# KiCad board XG_Mobile_Dock.kicad_pcb (continued)
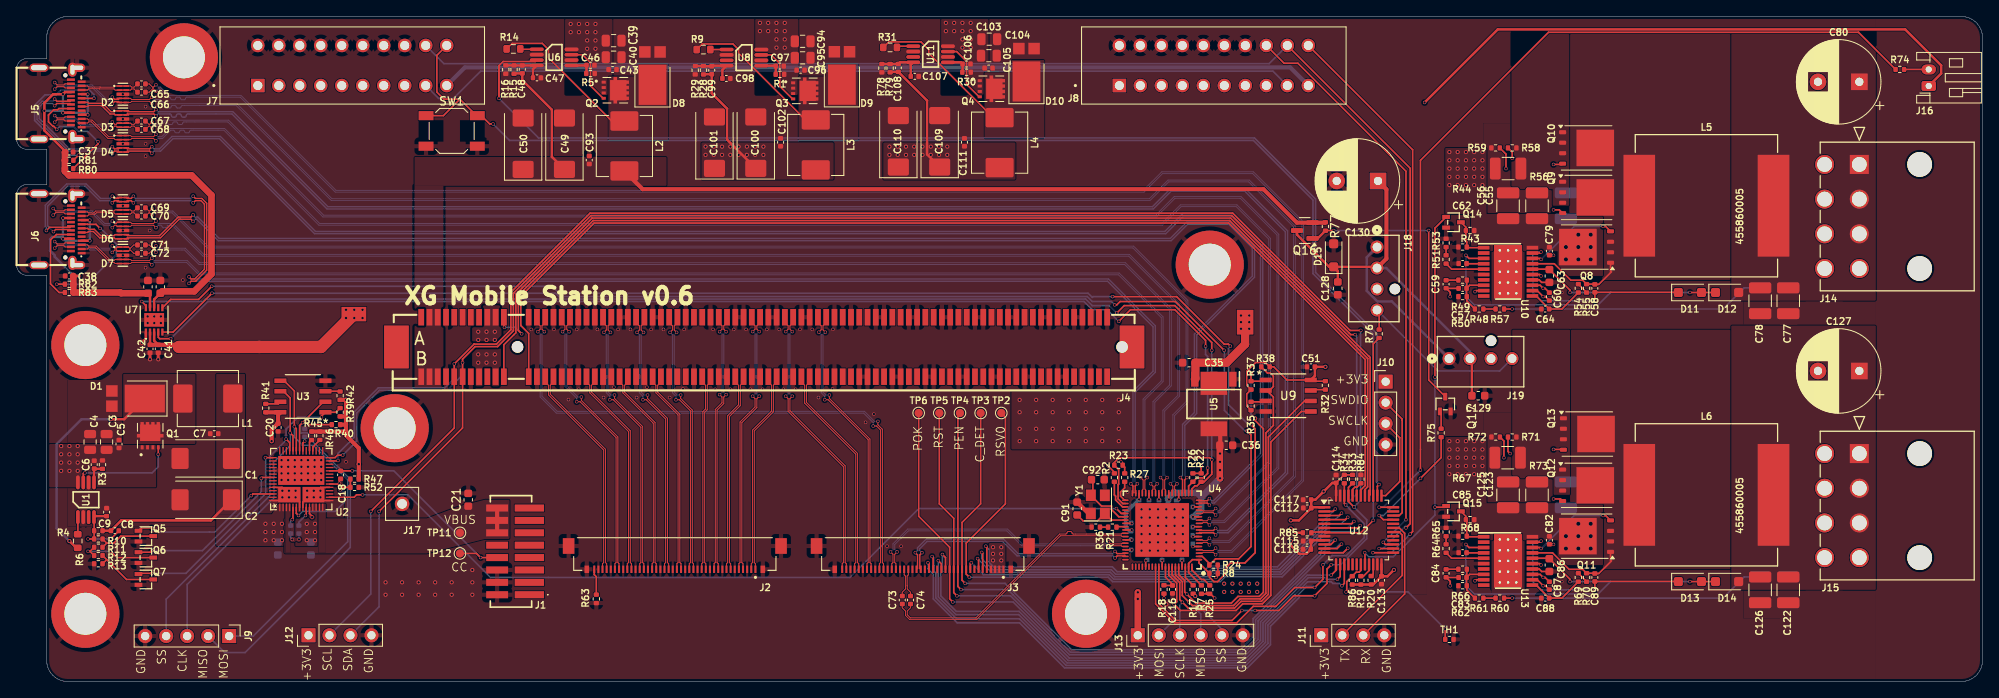
[diagram p0: board, top side]
## Routing (per net, layer and track width the routed paths; a pad name or vN(x,y) marks a point on that pad's centre or on a via; arc(x,y) is an arc through that point) (continued)
  Top w0.118: J2.20 79.9,14.26 80.04,14.4 80.04,32.26 77.36,34.95 77.36,35.86 76.97,36.25 J4.B27
/HSO4N: length 23.7
  Top w0.118: J4.B34 83.97,36.25 83.57,35.86 83.57,32.9 83.26,32.58 83.26,14.4 83.4,14.26 J2.13
/HSO4P: length 23.7
  Top w0.118: J2.14 82.9,14.26 83.04,14.4 83.04,32.67 83.36,32.99 83.36,35.86 82.97,36.25 J4.B33
/HSO5N: length 24.1
  Top w0.118: J4.B38 87.97,36.25 87.57,35.86 87.57,33.4 86.26,32.08 86.26,14.4 86.4,14.26 J2.7
/HSO5P: length 24.1
  Top w0.118: J2.8 85.9,14.26 86.04,14.4 86.04,32.17 87.36,33.49 87.36,35.86 86.97,36.25 J4.B37
/HSO6N: length 24.5
  Top w0.118: J2.1 89.4,14.26 89.26,14.4 89.26,30.33 91.57,32.65 91.57,35.86 91.97,36.25 J4.B42
/HSO6P: length 24.5
  Top w0.118: J4.B41 90.97,36.25 91.36,35.86 91.36,32.74 89.04,30.42 89.04,14.4 88.9,14.26 J2.2
/HSO7N: length 26.1
  Top w0.118: J4.B46 95.97,36.25 95.57,35.86 95.57,33.79 101.76,27.6 101.76,14.4 101.9,14.26 J3.36
/HSO7P: length 26.1
  Top w0.118: J3.37 101.4,14.26 101.54,14.4 101.54,27.51 95.36,33.7 95.36,35.86 94.97,36.25 J4.B45
/LED_RED#: length 53.1
  Top w0.2: v1(116.28,14.87) 116.4,14.75 J3.7 ; v1(161.07,19.87) 160.78,19.59 158.24,19.59
  Bottom w0.2: 152.91,13.3 158.65,19.04 160.23,19.04 v1(161.07,19.87) ; 152.91,13.3 152.89,13.27 ; 152.91,13.3 152.89,13.27 ; 152.89,13.27 146.11,13.27 146.11,13.28 145.99,13.4 144.78,13.4 144.07,12.69 132.87,12.69 132.33,13.22 117.93,13.22 v1(116.28,14.87)
/LED_WHITE#: length 52.5
  Top w0.2: J3.6 116.9,15.5 v1(116.78,15.62) ; v1(160.32,20.37) 160.03,20.09 158.24,20.09
  Bottom w0.2: v1(116.78,15.62) 116.78,15.62 116.78,14.87 118.13,13.52 132.46,13.52 132.99,12.99 143.95,12.99 144.66,13.7 146.12,13.7 146.24,13.57 152.76,13.57 158.82,19.62 159.57,19.62 v1(160.32,20.37)
/LOCK_DET: length 54.7
  Top w0.2: v1(161.82,19.37) 161.53,19.09 158.24,19.09 ; J3.9 115.4,14.25 v1(115.53,14.37)
  Bottom w0.2: v1(115.53,14.37) 116.98,12.92 132.21,12.92 132.74,12.39 144.37,12.39 144.37,12.56 144.91,13.1 145.86,13.1 145.98,12.97 153.01,12.97 158.61,18.58 161.02,18.58 v1(161.82,19.37)
/LOCK_SW: length 52
  Top w0.2: v1(159.57,20.87) 159.28,20.59 158.24,20.59 ; J3.5 117.4,16.25 v1(117.28,16.37)
  Bottom w0.2: v1(117.28,16.37) 117.65,16.01 117.65,14.44 118.22,13.87 132.58,13.87 133.17,13.29 143.62,13.29 144.32,14 146.49,14 146.62,13.87 152.57,13.87 ; v1(159.57,20.87) 152.57,13.88
/MCU/FAN_ON: length 14.8
  Top w0.2: v1(169.87,24.59) 172.37,27.09 R75.1 ; v1(164.87,20.09) 165.37,19.59 U12.33
  Bottom w0.2: v1(164.87,20.09) 165.37,20.09 v1(169.87,24.59)
/MCU/FAN_PWM: length 20.1
  Top w0.2: 164.15,21.81 U12.39 164.15,40.87 R76.1
/MCU/RX: length 16.1
  Top w0.2: J11.3 167.95,10.6 167.95,17.94 167.3,18.59 166.56,18.59
/MCU/SCL2: length 2
  Top w0.2: 163.65,14.18 163.65,13.43 162.97,12.75 R19.2
/MCU/SDA2: length 1.5
  Top w0.2: R20.2 164.15,13.01 164.15,14.18
/MCU/SWCLK: length 10.6
  Top w0.2: 165.15,22.5 165.65,22.5 167.35,24.2 167.35,29.52 167.35,29.52 J10.3
/MCU/SWDIO: length 15.6
  Top w0.2: 167.65,31.59 167.65,31.76 J10.2 ; 167.65,31.59 167.65,20.44 167.3,20.09 166.56,20.09 ; 167.65,31.59 167.65,31.76
/MCU/TX: length 16.4
  Top w0.2: 166.56,18.09 167.3,18.09 167.65,17.74 167.65,12.84 J11.2
/MCU/~{CASE_LED}: length 111.8
  Top w0.2: v1(164.87,21.09) 166.56,21.09 U12.36 ; v1(169.87,25.59) 169.87,63.09 185.37,78.59 222.87,78.59 222.87,78.58 R74.1
  Bottom w0.2: v1(169.87,25.59) 165.37,21.09 v1(164.87,21.09)
/MCU_IRQ#: length 66
  Top w0.2: J3.16 111.9,14.25 v1(111.53,14.62) ; 160.65,14.18 160.65,11.88 v1(160.37,11.59)
  Bottom w0.2: v1(160.37,11.59) 160.09,11.87 159.27,11.87 159.07,12.07 156.21,12.07 151.12,6.97 151.12,4.74 148.62,2.24 127.12,2.24 121.27,8.09 113.67,8.09 111.53,10.24 v1(111.53,14.62)
/PERST#: length 138.8
  Top w0.2: v1(59.03,42.87) 58.97,42.94 J4.A11 58.87,44 ; v1(61.12,42.09) 60.72,42.49 60.72,46.75 69.76,55.8 146.77,55.8 163.47,39.1 163.47,39.09 ; 163.47,39.09 163.47,23.56 163.15,23.24 163.15,22.5 ; 163.47,39.09 163.47,39.11
  Bottom w0.2: v1(59.03,42.87) 60.33,42.87 v1(61.12,42.09)
/Power 12V (1)/VOUT_12V: length 32.1
  Top w0.2: R57.2 v1(180.97,45.09)
  Bottom w0.2: C78.1 209.03,47.65 206.47,45.09 v1(180.97,45.09)
/Power 12V (2)/VOUT_12V: length 32.1
  Top w0.2: R60.2 v1(180.97,10.09)
  Bottom w0.2: v1(180.97,10.09) 206.47,10.09 209.03,12.65 C126.1
/PWR_SW: length 173
  Top w0.2: v1(164.15,19.5) 162.65,18 158.33,18 158.24,18.09 156.75,18.09 R85.1 ; v1(57.65,67.5) 57.24,67.5 56.24,68.5 SW1.1 55.65,68.5 53.65,70.5 ; 53.65,70.5 51.65,68.5 SW1.1 49.06,68.5 ; 53.65,70.5 51.71,70.5 50.86,71.35 50.86,75.81 J7.20
  Bottom w0.2: v1(57.65,67.5) 59.65,65.5 149.65,65.5 156.87,58.28 156.87,49.38 164.15,42.09 v1(164.15,19.5)
/PWR_SW_OUT: length 72.4
  Top w0.2: v1(168.62,17.84) 168.92,18.15 168.92,64.37 J8.20 ; v1(164.12,15.59) 164.12,15.59 U12.25
  Bottom w0.2: v1(168.62,17.84) 166.36,15.59 164.12,15.59 v1(164.12,15.59)
/PWREN#: length 79.8
  Top w0.2: v1(114.28,11.12) 113.9,11.5 J3.12 113.9,32.25 TP4.1 ; v1(160.32,16.62) 159.78,16.09 158.24,16.09
  Bottom w0.2: v1(160.32,16.62) 160.07,16.62 159.56,16.12 158.57,16.12 149.92,7.47 149.92,5.23 148.22,3.54 127.51,3.54 120.56,10.5 120.56,10.5 119.93,11.12 v1(114.28,11.12)
/PWROK: length 80.2
  Top w0.2: TP6.1 109.15,20 112.9,16.25 J3.14 112.9,10 v1(113.28,9.62) ; v1(159.07,12.87) 159.65,13.46 159.65,14.18
  Bottom w0.2: v1(113.28,9.62) 120.58,9.62 127.37,2.84 148.37,2.84 150.52,4.98 150.52,7.22 156.17,12.87 v1(159.07,12.87)
/RST#: length 82.9
  Top w0.2: v1(161.07,16.12) 160.53,15.59 158.24,15.59 ; TP5.1 111.65,21.5 113.4,19.75 J3.13 113.4,10.75 v1(113.78,10.37)
  Bottom w0.2: v1(161.07,16.12) 160.48,15.54 158.41,15.54 150.22,7.34 150.22,5.11 148.35,3.24 127.39,3.24 120.26,10.37 v1(113.78,10.37)
/RSV0: length 77
  Top w0.2: v1(162.57,18.87) 162.28,18.59 158.24,18.59 ; v1(115.28,12.62) 114.9,13 J3.10 114.9,16.75 119.65,21.5 119.65,32 TP2.1
  Bottom w0.2: v1(115.28,12.62) 132.08,12.62 132.62,12.09 145.65,12.09 146.23,12.67 153.14,12.67 158.58,18.11 161.8,18.11 v1(162.57,18.87)
/SCL: length 313.3
  Top w0.2: v1(149.87,8.59) 152.74,8.59 154.52,10.37 v1(157.07,10.37) 158.56,11.87 158.56,13.62 v1(159.07,14.12) ; v1(110.28,14.37) 110.4,14.25 J3.19 ; v1(38.9,26.75) 38.85,26.7 U2.27 ; v1(42.87,20.59) 52.97,30.69 J4.B5 v1(52.97,38.45) 55.37,40.85 55.37,40.84 58.07,40.84 59.82,42.58 59.82,47.12 69.39,56.7 147.15,56.7 161.35,42.5 v1(162.65,42.5) ; U4.66 138.22,9.42 140.24,7.39 147.07,7.39 v1(148.27,8.59) ; R33.2 161.15,23.49 161.15,21.79 v1(161.82,21.12)
  Bottom w0.2: v1(159.07,14.12) 160.2,14.12 163.37,17.29 163.37,19.57 v1(161.82,21.12) 162.62,21.92 162.62,42.47 v1(162.65,42.5) ; v1(42.87,20.59) 42.87,10.59 J12.2 ; v1(52.97,38.45) 52.97,36.69 51.82,35.55 43.78,35.55 40.85,32.62 40.85,29.56 38.9,27.61 v1(38.9,26.75) ; v1(110.28,14.37) 110.28,13.65 110.93,13 110.93,9.99 113.82,7.09 121.37,7.09 126.82,1.64 148.92,1.64 151.72,4.44 151.72,6.69 155.4,10.37 v1(157.07,10.37) ; v1(148.27,8.59) v1(149.87,8.59)
/SDA: length 312.8
  Top w0.2: v1(110.78,15.12) 110.9,15 J3.18 ; v1(160.82,21.37) 160.65,21.54 R34.2 ; v1(39.47,27.39) 38.83,27.39 38.54,27.1 U2.28 ; v1(43.87,20.59) 53.97,30.69 J4.B6 v1(53.97,38.59) 53.97,39.02 55.49,40.54 58.2,40.54 60.12,42.46 60.12,47 69.52,56.4 147.02,56.4 161.43,41.99 v1(161.97,41.99) ; U4.65 137.82,9.39 140.12,7.09 147.64,7.09 149.64,9.1 151.86,9.1 151.87,9.09 152.37,9.09 154.65,11.37 v1(157.07,11.37) 158.07,12.37 v1(158.07,14.12)
  Bottom w0.2: v1(39.47,27.39) 41.15,29.08 41.15,32.5 43.9,35.25 52.12,35.25 53.97,37.1 v1(53.97,38.59) ; v1(43.87,20.59) 43.87,9.05 J12.3 ; v1(110.78,15.12) 111.02,14.88 111.02,13.33 111.23,13.12 111.23,10.11 113.75,7.59 121.34,7.59 126.99,1.94 148.75,1.94 151.42,4.61 151.42,6.85 156.07,11.5 156.94,11.5 v1(157.07,11.37) ; v1(161.97,41.99) 162.15,41.81 162.15,22.71 v1(160.82,21.37) 161.27,20.92 161.27,20.88 163.07,19.08 163.07,17.42 160.89,15.24 159.18,15.24 v1(158.07,14.12)
/SYS_3V3: length 106.1
  Bottom w0.5: J8.19 154.1,74.34 54.25,74.34 J7.19
/SYS_DET: length 70.6
  Top w0.2: v1(168.12,19.59) 168.12,61.77 155.04,74.84 153.37,74.84 J8.16 ; U12.27 165.62,16.59 v1(165.37,16.84)
  Bottom w0.2: v1(168.12,19.59) v1(165.37,16.84)
/SYS_ON: length 177.2
  Top w0.2: v1(168.12,18.59) 168.62,19.1 168.62,62.13 J8.18 ; v1(164.87,16.09) 166.56,16.09 U12.26
  Bottom w0.2: v1(164.87,16.09) 165.33,16.09 168.12,18.88 v1(168.12,18.59) ; J8.18 151.55,74.79 51.71,74.79 J7.18
/USB C DFPs/USB_DFP0_D1N: length 197.7
  Top w0.17: v1(145.08,18.54) 144.82,18.28 143.13,18.28 U4.10 ; J5.A7 8.6,69.61 8.71,69.72 10.29,69.72 11.31,68.71 11.82,68.71 11.93,68.59 D3.2 D3.9 13.41,68.71 16.6,68.71 v1(16.87,68.44)
  Bottom w0.17: v1(145.08,18.54) 145.34,18.28 146.48,18.28 153.51,25.31 153.51,54.44 148.59,59.36 139.71,59.36 137.55,57.21 37.56,57.21 26.06,68.71 20.74,68.71 arc(20.6,68.65) 20.54,68.51 arc(20.48,68.37) 20.34,68.31 20.14,68.31 arc(20,68.37) 19.94,68.51 arc(19.88,68.65) 19.74,68.71 19.54,68.71 arc(19.4,68.65) 19.34,68.51 arc(19.28,68.37) 19.14,68.31 18.94,68.31 arc(18.8,68.37) 18.74,68.51 arc(18.68,68.65) 18.54,68.71 17.13,68.71 v1(16.87,68.44)
/USB C DFPs/USB_DFP0_D1P: length 197.7
  Top w0.17: U4.9 143.13,18.01 144.82,18.01 v1(145.08,17.74) ; v1(16.87,69.24) 16.6,68.98 13.41,68.98 D3.10 D3.1 11.93,69.09 11.82,68.98 11.42,68.98 10.41,69.99 8.71,69.99 8.6,70.11 J5.A6
  Bottom w0.17: v1(145.08,17.74) 145.34,18.01 146.59,18.01 153.79,25.2 153.79,54.56 148.71,59.64 139.59,59.64 137.44,57.48 37.67,57.48 26.17,68.98 17.13,68.98 v1(16.87,69.24)
/USB C DFPs/USB_DFP0_D2N: length 199.5
  Top w0.17: v1(11.59,63.94) 11.85,64.21 12.32,64.21 D4.5 D4.6 13.41,64.21 16.1,64.21 v1(16.37,63.94) ; J5.B7 6.47,70.24 4.88,70.24 v1(4.62,70.51) ; U4.19 143.13,21.88 144.07,21.88 v1(144.33,22.14)
  Bottom w0.17: v1(11.59,63.94) 11.33,64.21 6.31,64.21 2.48,68.04 2.48,69.65 3.07,70.24 4.35,70.24 v1(4.62,70.51) ; v1(16.37,63.94) 16.63,64.21 17.42,64.21 18.92,65.71 24.56,65.71 36.06,54.21 139.05,54.21 141.21,56.36 147.09,56.36 150.51,52.94 150.51,27.56 144.83,21.88 144.59,21.88 v1(144.33,22.14)
/USB C DFPs/USB_DFP0_D2P: length 199.5
  Top w0.17: v1(144.33,21.34) 144.07,21.61 143.13,21.61 U4.18 ; v1(11.59,64.74) 11.85,64.48 12.32,64.48 D4.4 D4.7 13.41,64.48 16.1,64.48 v1(16.37,64.74) ; v1(4.62,69.71) 4.88,69.97 6.47,69.97 J5.B6
  Bottom w0.17: v1(11.59,64.74) 11.33,64.48 6.42,64.48 2.75,68.15 2.75,69.54 3.19,69.97 4.35,69.97 v1(4.62,69.71) ; v1(16.37,64.74) 16.63,64.48 17.31,64.48 18.81,65.98 24.67,65.98 36.17,54.48 138.94,54.48 141.09,56.64 147.21,56.64 150.79,53.06 150.79,27.45 144.94,21.61 144.59,21.61 v1(144.33,21.34)
/USB C DFPs/USB_DFP0_RX1N: length 207.5
  Top w0.112: v1(4.62,71.71) 4.91,72 5.73,72 5.87,71.86 J5.B10 ; v1(16.37,69.94) 16.07,70.24 13.94,70.24 13.8,70.09 D2.6 ; U4.7 143.47,17.14 143.56,17.05 144.04,17.05 v1(144.33,17.34)
  Top w0.17: D2.6 D2.5 12.32,70.21 11.85,70.21 v1(11.59,69.94)
  Bottom w0.112: v1(16.37,69.94) 16.66,70.24 17.32,70.24 17.82,69.74 17.95,69.74 arc(18.06,69.69) 18.11,69.58 arc(18.15,69.47) 18.26,69.43 18.55,69.43 arc(18.66,69.47) 18.71,69.58 arc(18.75,69.69) 18.86,69.74 19.15,69.74 arc(19.26,69.69) 19.31,69.58 arc(19.35,69.47) 19.46,69.43 19.75,69.43 arc(19.86,69.47) 19.91,69.58 arc(19.95,69.69) 20.06,69.74 26.57,69.74 38.07,58.24 137.16,58.24 139.41,60.49 149.07,60.49 154.51,55.05 154.51,24.89 146.67,17.05 144.62,17.05 v1(144.33,17.34) ; v1(4.62,71.71) 4.91,72 9.06,72 10.82,70.24 11.3,70.24 v1(11.59,69.94)
/USB C DFPs/USB_DFP0_RX1P: length 207.5
  Top w0.112: v1(4.62,72.51) 4.91,72.21 5.73,72.21 5.87,72.36 J5.B11 ; v1(16.37,70.74) 16.07,70.45 13.94,70.45 13.8,70.59 D2.7 ; U4.6 143.47,16.74 143.56,16.84 144.04,16.84 v1(144.33,16.54)
  Top w0.17: D2.7 D2.4 12.32,70.48 11.85,70.48 v1(11.59,70.74)
  Bottom w0.112: v1(11.59,70.74) 11.3,70.45 10.91,70.45 9.14,72.21 4.91,72.21 v1(4.62,72.51) ; v1(144.33,16.54) 144.62,16.84 146.76,16.84 154.72,24.8 154.72,55.14 149.16,60.7 139.32,60.7 137.07,58.45 38.16,58.45 26.66,69.95 17.91,69.95 17.41,70.45 16.66,70.45 v1(16.37,70.74)
/USB C DFPs/USB_DFP0_RX2N: length 191.4
  Top w0.112: v1(145.08,20.14) 144.79,20.44 143.56,20.44 143.47,20.34 U4.15 ; J5.A10 8.6,68.11 8.74,67.96 9.14,67.96 11.16,65.95 11.79,65.95 11.93,66.09 D4.1 ; D4.10 13.8,66.09 13.94,65.95 16.57,65.95 v1(16.87,66.24)
  Top w0.17: D4.1 D4.10
  Bottom w0.112: v1(16.87,66.24) 17.16,65.95 17.57,65.95 18.57,66.95 25.17,66.95 36.67,55.45 138.57,55.45 140.82,57.7 147.66,57.7 151.72,53.64 151.72,26.55 145.61,20.44 145.37,20.44 v1(145.08,20.14)
/USB C DFPs/USB_DFP0_RX2P: length 191.4
  Top w0.112: v1(145.08,20.94) 144.79,20.65 143.56,20.65 143.47,20.74 U4.16 ; D4.9 13.8,65.59 13.94,65.74 16.57,65.74 v1(16.87,65.44) ; J5.A11 8.6,67.61 8.74,67.75 9.06,67.75 11.07,65.74 11.79,65.74 11.93,65.59 D4.2
  Top w0.17: D4.2 D4.9
  Bottom w0.112: v1(145.08,20.94) 145.37,20.65 145.52,20.65 151.51,26.64 151.51,53.55 147.57,57.49 140.91,57.49 138.66,55.24 36.58,55.24 25.08,66.74 21.09,66.74 arc(20.99,66.69) 20.94,66.58 arc(20.89,66.47) 20.79,66.43 20.49,66.43 arc(20.39,66.47) 20.34,66.58 arc(20.29,66.69) 20.19,66.74 19.89,66.74 arc(19.79,66.69) 19.74,66.58 arc(19.69,66.47) 19.59,66.43 19.29,66.43 arc(19.19,66.47) 19.14,66.58 arc(19.09,66.69) 18.99,66.74 18.66,66.74 17.66,65.74 17.16,65.74 v1(16.87,65.44)
/USB C DFPs/USB_DFP0_TX1N: length 7.3
  Top w0.112: D2.2 11.93,71.59 11.79,71.74 10.03,71.74 10.02,71.75 8.74,71.75 8.6,71.61 J5.A3 ; C66.1 14.61,71.34 14.21,71.74 13.94,71.74 13.8,71.59 D2.9
  Top w0.17: D2.2 D2.9 13.53,71.59
/USB C DFPs/USB_DFP0_TX1P: length 7.3
  Top w0.112: D2.10 13.8,72.09 13.94,71.95 14.21,71.95 14.61,72.34 C65.1 ; J5.A2 8.6,72.11 8.74,71.96 10.1,71.96 10.12,71.95 11.79,71.95 11.93,72.09 D2.1
  Top w0.17: D2.1 D2.10 13.53,72.09
/USB C DFPs/USB_DFP0_TX2N: length 13.4
  Top w0.112: J5.B3 5.87,68.36 5.73,68.21 4.91,68.21 v1(4.62,68.51) ; C67.1 14.61,67.84 14.21,67.45 13.94,67.45 13.8,67.59 D3.7 ; D3.4 12.2,67.59 12.06,67.45 11.88,67.45 v1(11.59,67.74)
  Top w0.17: D3.4 D3.7 13.53,67.59
  Bottom w0.112: v1(4.62,68.51) 4.91,68.21 7.14,68.21 7.91,67.45 11.3,67.45 v1(11.59,67.74)
/USB C DFPs/USB_DFP0_TX2P: length 13.4
  Top w0.112: C68.1 14.61,66.84 14.21,67.24 13.94,67.24 13.8,67.09 D3.6 ; v1(4.62,67.71) 4.91,68 5.73,68 5.87,67.86 J5.B2 ; D3.5 12.2,67.09 12.06,67.24 11.88,67.24 v1(11.59,66.94)
  Top w0.17: 13.53,67.09 D3.6 D3.5
  Bottom w0.112: v1(11.59,66.94) 11.3,67.24 7.82,67.24 7.06,68 4.91,68 v1(4.62,67.71)
/USB C DFPs/USB_DFP0_VBUS: length 63.5
  Top w0.3: C37.1 5.89,64.2 3.37,66.72 v1(3.37,69.09) 3.37,70.04 4.42,71.09 v1(5.62,71.09) 5.88,71.36 J5.B9 ; J5.A4 8.6,71.11 v1(8.62,71.09) ; J5.A9 8.6,68.61 v1(8.62,68.59) ; v1(5.62,68.84) 5.63,68.86 J5.B4 ; C44.1 16.65,46.25 U7.8
  Top w0.8: C37.1 5.86,64.06 R80.2 5.85,63.08 R81.1 5.85,61.77 6.35,61.27 21.19,61.27 23.59,58.87 23.59,49.31 21.5,47.23 17.63,47.23 C44.1
  Bottom w0.3: v1(5.62,68.84) 5.37,69.09 v1(3.37,69.09) ; v1(5.62,68.84) 8.37,68.84 v1(8.62,68.59) v1(8.62,71.09) ; v1(5.62,68.84) v1(5.62,71.09)
/USB C DFPs/USB_DFP1_D1N: length 179.7
  Top w0.17: v1(21.37,55.69) 21.1,55.96 19.67,55.96 17.42,53.71 13.41,53.71 D6.6 D6.5 11.93,53.59 11.82,53.71 10.06,53.71 9.29,54.47 8.71,54.47 8.6,54.36 J6.A7 ; U4.23 141.08,22.86 141.08,24.42 v1(140.81,24.69)
  Bottom w0.17: v1(140.81,24.69) 141.08,24.95 141.08,31.12 142.51,32.56 142.51,42.06 149.51,49.06 149.51,52.44 146.59,55.36 141.71,55.36 139.71,53.36 24.4,53.36 21.81,55.96 21.63,55.96 v1(21.37,55.69)
/USB C DFPs/USB_DFP1_D1P: length 180.2
  Top w0.17: J6.A6 8.6,54.86 8.71,54.74 9.41,54.74 10.17,53.98 11.82,53.98 11.93,54.09 D6.4 D6.7 13.41,53.98 17.31,53.98 19.56,56.23 21.1,56.23 v1(21.37,56.49) ; v1(141.61,24.69) 141.35,24.42 141.35,22.86 U4.22
  Bottom w0.17: v1(21.37,56.49) 21.63,56.23 21.92,56.23 24.51,53.64 139.59,53.64 141.59,55.64 146.71,55.64 149.79,52.56 149.79,48.94 142.79,41.94 142.79,32.44 141.35,31.01 141.35,24.95 v1(141.61,24.69)
/USB C DFPs/USB_DFP1_D2N: length 180
  Top w0.17: v1(134.82,23.93) 135.08,23.67 135.08,22.86 U4.38 ; J6.B7 6.47,54.99 4.02,54.99 v1(3.62,54.59) ; v1(20.87,48.19) 21.13,48.46 21.67,48.46 23,49.79 23,57.9 22.42,58.48 21.64,58.48 v1(21.37,58.74) ; v1(14.14,58.74) 13.88,58.48 13.41,58.48 D5.10 D5.1 12.32,58.48 11.85,58.48 v1(11.59,58.74)
  Bottom w0.17: v1(11.59,58.74) 11.33,58.48 10.17,58.48 8.42,60.23 6.06,60.23 3.48,57.65 3.48,55.06 3.62,54.93 v1(3.62,54.59) ; v1(21.37,58.74) 21.11,58.48 14.4,58.48 v1(14.14,58.74) ; v1(20.87,48.19) 21.13,48.46 132,48.46 137.51,42.94 137.51,37.56 135.08,35.12 135.08,24.2 v1(134.82,23.93)
/USB C DFPs/USB_DFP1_D2P: length 178.5
  Top w0.17: U4.37 135.35,22.86 135.35,23.67 v1(135.62,23.93) ; v1(11.59,57.94) 11.85,58.21 12.32,58.21 D5.2 D5.9 13.41,58.21 13.88,58.21 v1(14.14,57.94) ; v1(4.47,54.46) 4.73,54.72 6.47,54.72 J6.B6 ; v1(20.87,48.99) 21.13,48.73 21.56,48.73 22.73,49.9 22.73,57.79 22.31,58.21 21.64,58.21 v1(21.37,57.94)
  Bottom w0.17: v1(135.62,23.93) 135.35,24.2 135.35,35.01 137.79,37.44 137.79,43.06 132.11,48.73 21.13,48.73 v1(20.87,48.99) ; v1(4.47,54.46) 3.75,55.17 3.75,57.54 6.17,59.96 8.31,59.96 10.06,58.21 11.33,58.21 v1(11.59,57.94) ; v1(14.14,57.94) 14.4,58.21 21.11,58.21 v1(21.37,57.94)
/USB C DFPs/USB_DFP1_RX1N: length 167.9
  Top w0.112: v1(16.87,54.94) 16.57,55.24 13.94,55.24 13.8,55.09 D6.9 ; v1(4.44,56.46) 4.73,56.75 5.73,56.75 5.87,56.61 J6.B10 ; U4.29 138.62,23.19 138.71,23.29 138.71,24.39 v1(138.41,24.68) ; v1(11.59,54.94) 11.88,55.24 12.06,55.24 12.2,55.09 D6.2
  Top w0.17: D6.2 D6.9
  Bottom w0.112: v1(11.59,54.94) 11.3,55.24 10.57,55.24 9.06,56.75 4.73,56.75 v1(4.44,56.46) ; v1(138.41,24.68) 138.71,24.98 138.71,32.84 140.51,34.64 140.51,45.55 134.57,51.49 22.57,51.49 18.82,55.24 18.36,55.24 arc(18.25,55.19) 18.21,55.08 arc(18.16,54.97) 18.05,54.93 17.76,54.93 arc(17.65,54.97) 17.61,55.08 arc(17.56,55.19) 17.45,55.24 17.16,55.24 v1(16.87,54.94)
/USB C DFPs/USB_DFP1_RX1P: length 167.9
  Top w0.112: v1(4.44,57.26) 4.73,56.96 5.73,56.96 5.87,57.11 J6.B11 ; v1(139.21,24.68) 138.92,24.39 138.92,23.29 139.01,23.19 U4.28 ; v1(11.59,55.74) 11.88,55.45 12.06,55.45 12.2,55.59 D6.1 ; D6.10 13.8,55.59 13.94,55.45 16.57,55.45 v1(16.87,55.74)
  Top w0.17: D6.1 D6.10
  Bottom w0.112: v1(139.21,24.68) 138.92,24.98 138.92,32.75 140.72,34.55 140.72,45.64 134.66,51.7 22.66,51.7 18.91,55.45 17.16,55.45 v1(16.87,55.74) ; v1(11.59,55.74) 11.3,55.45 10.66,55.45 9.14,56.96 4.73,56.96 v1(4.44,57.26)
/USB C DFPs/USB_DFP1_RX2N: length 157.4
  Top w0.112: J6.A10 8.6,52.86 8.74,52.71 9.64,52.71 11.41,50.95 11.79,50.95 11.93,51.09 D7.4 ; v1(136.82,24.68) 136.52,24.39 136.52,23.29 136.62,23.19 U4.34 ; D7.7 13.8,51.09 13.94,50.95 16.07,50.95 v1(16.37,51.24)
  Top w0.17: D7.4 D7.7
  Bottom w0.112: v1(16.37,51.24) 16.66,50.95 20.66,50.95 22.16,49.45 133.41,49.45 138.72,44.14 138.72,36.3 136.52,34.1 136.52,24.98 v1(136.82,24.68)
/USB C DFPs/USB_DFP1_RX2P: length 157
  Top w0.112: v1(16.37,50.44) 16.07,50.74 13.94,50.74 13.8,50.59 D7.6 ; J6.A11 8.6,52.36 8.74,52.5 9.56,52.5 11.32,50.74 11.79,50.74 11.93,50.59 D7.5 ; U4.35 136.22,23.19 136.31,23.29 136.31,24.39 v1(136.02,24.68)
  Top w0.17: D7.5 D7.6
  Bottom w0.112: v1(16.37,50.44) 16.66,50.74 20.57,50.74 22.07,49.24 133.32,49.24 138.51,44.05 138.51,36.39 136.31,34.19 136.31,24.98 v1(136.02,24.68)
/USB C DFPs/USB_DFP1_TX1N: length 7.4
  Top w0.112: C70.1 14.61,56.34 14.21,56.74 13.94,56.74 13.8,56.59 D5.6 ; J6.A3 8.6,56.36 8.74,56.5 9.42,56.5 9.66,56.74 11.79,56.74 11.93,56.59 D5.5
  Top w0.17: 13.53,56.59 D5.6 D5.5
/USB C DFPs/USB_DFP1_TX1P: length 7.4
  Top w0.112: D5.7 13.8,57.09 13.94,56.95 14.21,56.95 14.61,57.34 C69.1 ; J6.A2 8.6,56.86 8.74,56.71 9.34,56.71 9.57,56.95 11.79,56.95 11.93,57.09 D5.4
  Top w0.17: 13.53,57.09 D5.7 D5.4
/USB C DFPs/USB_DFP1_TX2N: length 13
  Top w0.112: D7.1 12.2,52.59 12.06,52.45 11.88,52.45 v1(11.59,52.74) ; v1(4.62,53.26) 4.91,52.96 5.73,52.96 5.87,53.11 J6.B3 ; 13.53,52.59 13.67,52.45 13.78,52.45 14.17,52.84 C71.1
  Top w0.17: D7.1 D7.10 13.53,52.59
  Bottom w0.112: v1(4.62,53.26) 4.91,52.96 8.39,52.96 8.91,52.45 11.3,52.45 v1(11.59,52.74)
/USB C DFPs/USB_DFP1_TX2P: length 13
  Top w0.112: v1(4.62,52.46) 4.91,52.75 5.73,52.75 5.87,52.61 J6.B2 ; D7.2 12.2,52.09 12.06,52.24 11.88,52.24 v1(11.59,51.94) ; 13.53,52.09 13.67,52.24 13.78,52.24 14.17,51.84 C72.1
  Top w0.17: D7.2 D7.9 13.53,52.09
  Bottom w0.112: v1(4.62,52.46) 4.91,52.75 8.31,52.75 8.82,52.24 11.3,52.24 v1(11.59,51.94)
/USB C DFPs/USB_DFP1_VBUS: length 34
  Top w0.3: J6.A4 8.85,55.86 v1(8.87,55.84) ; v1(5.62,53.59) 5.63,53.61 J6.B4 ; v1(8.87,53.36) J6.A9 ; C45.1 16.15,46.75 U7.9 ; v1(7.62,49.09) C38.1 ; J6.B9 5.63,56.11 v1(5.62,56.09)
  Top w0.8: C38.1 6.88,49.06 R82.2 R83.1 12.56,47.09 12.65,47 C45.1
  Bottom w0.3: v1(5.62,53.59) v1(5.62,56.09) ; v1(5.62,53.59) 5.87,53.34 8.85,53.34 v1(8.87,53.36) v1(8.87,55.84) ; v1(5.62,53.59) 5.4,53.81 4.33,53.81 4.06,53.54 4.06,52.15 4.62,51.59 4.62,51.42 6.95,49.09 v1(7.62,49.09)
/USB Hub/RESET: length 3.7
  Top w0.2: U4.68 139.01,12.62 140.02,11.62 ; R18.1 138.86,11.62 C116.1
/USB Hub/REXT: length 1.1
  Top w0.2: U4.47 133.15,18.74 R21.1
/USB Hub/SPI_CLK: length 46.3
  Top w0.2: U4.70 139.81,12.89 140.75,11.96 140.75,9.91 v1(141.07,9.59) 141.77,8.89 147.37,8.89 148.17,9.7 150.61,9.7 151.47,10.55 151.47,29.59 155.83,33.96 U9.6
  Bottom w0.2: J13.3 140.75,9.27 v1(141.07,9.59)
/USB Hub/SPI_MISO: length 49.4
  Top w0.2: R38.2 151.36,37.34 151.71,37.34 152.07,36.98 152.07,35.71 151.59,35.23 U9.2 151.28,35.23 152.07,34.44 152.07,31 151.17,30.09 151.17,10.67 150.49,10 148.04,10 147.24,9.19 142.27,9.19 v1(141.87,9.59) 141.05,10.41 141.05,12.09 140.22,12.92 U4.71
  Bottom w0.2: v1(141.87,9.59) 143.29,8.17 J13.4
/USB Hub/SPI_MOSI: length 47.3
  Top w0.2: U4.69 139.42,12.87 140.38,11.91 140.38,9.65 v1(140.07,9.34) 140.82,8.59 147.55,8.59 148.36,9.4 150.74,9.4 151.77,10.42 151.77,28.99 155.46,32.69 U9.5
  Bottom w0.2: v1(140.07,9.34) 140.07,7.45 J13.2
/USB Hub/SPI_SS: length 51.2
  Top w0.2: 150.69,36.5 U9.1 151,36.35 R37.2 v2(149.37,37.34) ; U4.72 140.61,12.94 141.35,12.21 141.35,10.83 v1(141.6,10.57) 142.68,9.49 146.99,9.49 147.79,10.3 150.37,10.3 150.87,10.8 150.87,30.59 149.87,31.59 v2(149.87,31.84)
  Bottom w0.2: v2(149.37,37.34) 149.37,32.34 v2(149.87,31.84) ; J13.5 145.83,6.35 v1(141.6,10.57)
/USB Hub/SSTX0+: length 32.6
  Top w0.112: C73.1 107.17,8.92 107.56,8.52 107.56,8 108.07,7.49 116.16,7.49 126.31,17.64 133.67,17.64 133.77,17.54 U4.50
/USB Hub/SSTX0-: length 32.6
  Top w0.112: U4.49 133.77,17.94 133.67,17.85 127.85,17.85 arc(127.74,17.89) 127.7,18 arc(127.65,18.11) 127.54,18.16 127.25,18.16 arc(127.14,18.11) 127.1,18 arc(127.05,17.89) 126.94,17.85 126.22,17.85 116.07,7.7 108.16,7.7 107.77,8.09 107.77,8.52 108.17,8.92 C74.1
/USB Hub/SSTX1+: length 197
  Top w0.112: U4.3 143.47,15.54 143.56,15.64 144.79,15.64 v1(145.08,15.34) ; C65.2 16.06,72.34 16.45,71.95 16.57,71.95 v1(16.87,72.24)
  Bottom w0.112: v1(145.08,15.34) 145.37,15.64 147.06,15.64 155.72,24.3 155.72,55.64 149.66,61.7 138.57,61.7 136.32,59.45 38.66,59.45 27.16,70.95 18.41,70.95 17.41,71.95 17.16,71.95 v1(16.87,72.24)
/USB Hub/SSTX1-: length 197
  Top w0.112: v1(16.87,71.44) 16.57,71.74 16.45,71.74 16.06,71.34 C66.2 ; U4.4 143.47,15.94 143.56,15.85 144.79,15.85 v1(145.08,16.14)
  Bottom w0.112: v1(16.87,71.44) 17.16,71.74 17.32,71.74 18.32,70.74 18.49,70.74 arc(18.6,70.69) 18.65,70.58 arc(18.69,70.47) 18.8,70.43 19.09,70.43 arc(19.2,70.47) 19.25,70.58 arc(19.29,70.69) 19.4,70.74 19.69,70.74 arc(19.8,70.69) 19.85,70.58 arc(19.89,70.47) 20,70.43 20.29,70.43 arc(20.4,70.47) 20.45,70.58 arc(20.49,70.69) 20.6,70.74 27.07,70.74 38.57,59.24 136.41,59.24 138.66,61.49 149.57,61.49 155.51,55.55 155.51,24.39 146.97,15.85 145.37,15.85 v1(145.08,16.14)
/USB Hub/SSTX2+: length 186.3
  Top w0.112: v1(144.33,18.94) 144.04,19.24 143.56,19.24 143.47,19.14 U4.12 ; C67.2 15.63,67.84 16.02,67.45 16.1,67.45 v1(16.4,67.74)
  Bottom w0.112: v1(16.4,67.74) 16.69,67.45 17.32,67.45 17.82,67.95 25.66,67.95 37.16,56.45 137.82,56.45 140.07,58.7 148.16,58.7 152.72,54.14 152.72,25.8 146.16,19.24 144.62,19.24 v1(144.33,18.94)
/USB Hub/SSTX2-: length 186.3
  Top w0.112: v1(144.33,19.74) 144.04,19.45 143.56,19.45 143.47,19.54 U4.13 ; v1(16.4,66.94) 16.1,67.24 16.02,67.24 15.63,66.84 C68.2
  Bottom w0.112: v1(144.33,19.74) 144.62,19.45 146.07,19.45 152.51,25.89 152.51,54.05 148.07,58.49 140.16,58.49 137.91,56.24 37.07,56.24 25.57,67.74 20.26,67.74 arc(20.15,67.69) 20.1,67.58 arc(20.06,67.47) 19.95,67.43 19.66,67.43 arc(19.55,67.47) 19.5,67.58 arc(19.46,67.69) 19.35,67.74 19.06,67.74 arc(18.95,67.69) 18.9,67.58 arc(18.86,67.47) 18.75,67.43 18.46,67.43 arc(18.35,67.47) 18.3,67.58 arc(18.26,67.69) 18.15,67.74 17.91,67.74 17.41,67.24 16.69,67.24 v1(16.4,66.94)
/USB Hub/SSTX3+: length 155.3
  Top w0.112: v1(16.4,57.24) 16.1,56.95 16.02,56.95 15.63,57.34 C69.2 ; v1(140.41,23.93) 140.12,23.64 140.12,23.29 140.22,23.19 U4.25
  Bottom w0.112: v1(16.4,57.24) 16.69,56.95 18.91,56.95 23.16,52.7 135.16,52.7 141.72,46.14 141.72,33.8 140.12,32.2 140.12,24.23 v1(140.41,23.93)
/USB Hub/SSTX3-: length 154.9
  Top w0.112: v1(16.4,56.44) 16.1,56.74 16.02,56.74 15.63,56.34 C70.2 ; v1(139.61,23.93) 139.91,23.64 139.91,23.29 139.81,23.19 U4.26
  Bottom w0.112: v1(16.4,56.44) 16.69,56.74 18.82,56.74 23.07,52.49 135.07,52.49 141.51,46.05 141.51,33.89 139.91,32.29 139.91,24.23 v1(139.61,23.93)
/USB Hub/SSTX4+: length 151
  Top w0.112: U4.31 137.82,23.19 137.72,23.29 137.72,23.64 v1(138.02,23.93) ; C71.2 16.06,52.84 16.45,52.45 16.57,52.45 v1(16.87,52.74)
  Bottom w0.112: v1(16.87,52.74) 17.16,52.45 20.41,52.45 22.16,50.7 134.16,50.7 139.72,45.14 139.72,35.8 137.72,33.8 137.72,24.23 v1(138.02,23.93)
/USB Hub/SSTX4-: length 151
  Top w0.112: U4.32 137.42,23.19 137.51,23.29 137.51,23.64 v1(137.22,23.93) ; v1(16.87,51.94) 16.57,52.24 16.45,52.24 16.06,51.84 C72.2
  Bottom w0.112: v1(16.87,51.94) 17.16,52.24 17.4,52.24 arc(17.51,52.19) 17.55,52.08 arc(17.6,51.97) 17.71,51.93 18,51.93 arc(18.11,51.97) 18.15,52.08 arc(18.2,52.19) 18.31,52.24 20.32,52.24 22.07,50.49 134.07,50.49 139.51,45.05 139.51,35.89 137.51,33.89 137.51,24.23 v1(137.22,23.93)
/USB Hub/TESTEN: length 2.6
  Top w0.2: R17.2 141.41,12.59 U4.74
/USB Hub/USB_DFP0_EN: length 166.6
  Top w0.2: v1(146.12,40.09) 140.21,46 133.52,46 133.12,45.59 v1(132.87,45.59) ; v1(148.87,30.34) 149.37,29.84 149.37,16.34 147.86,14.84 145.07,14.84 R24.1 144.32,14.29 143.47,15.14 U4.2 ; v1(23.65,47) 18.95,42.3 U7.5
  Bottom w0.2: v1(132.87,45.59) 132.46,46 130.15,46 129.55,46.6 65.63,46.6 65.23,47 v1(23.65,47) ; v1(148.87,30.34) 148.62,30.34 146.15,32.81 146.15,40.06 v1(146.12,40.09)
